# Allegro board LAY-27392_C.brd (continued)
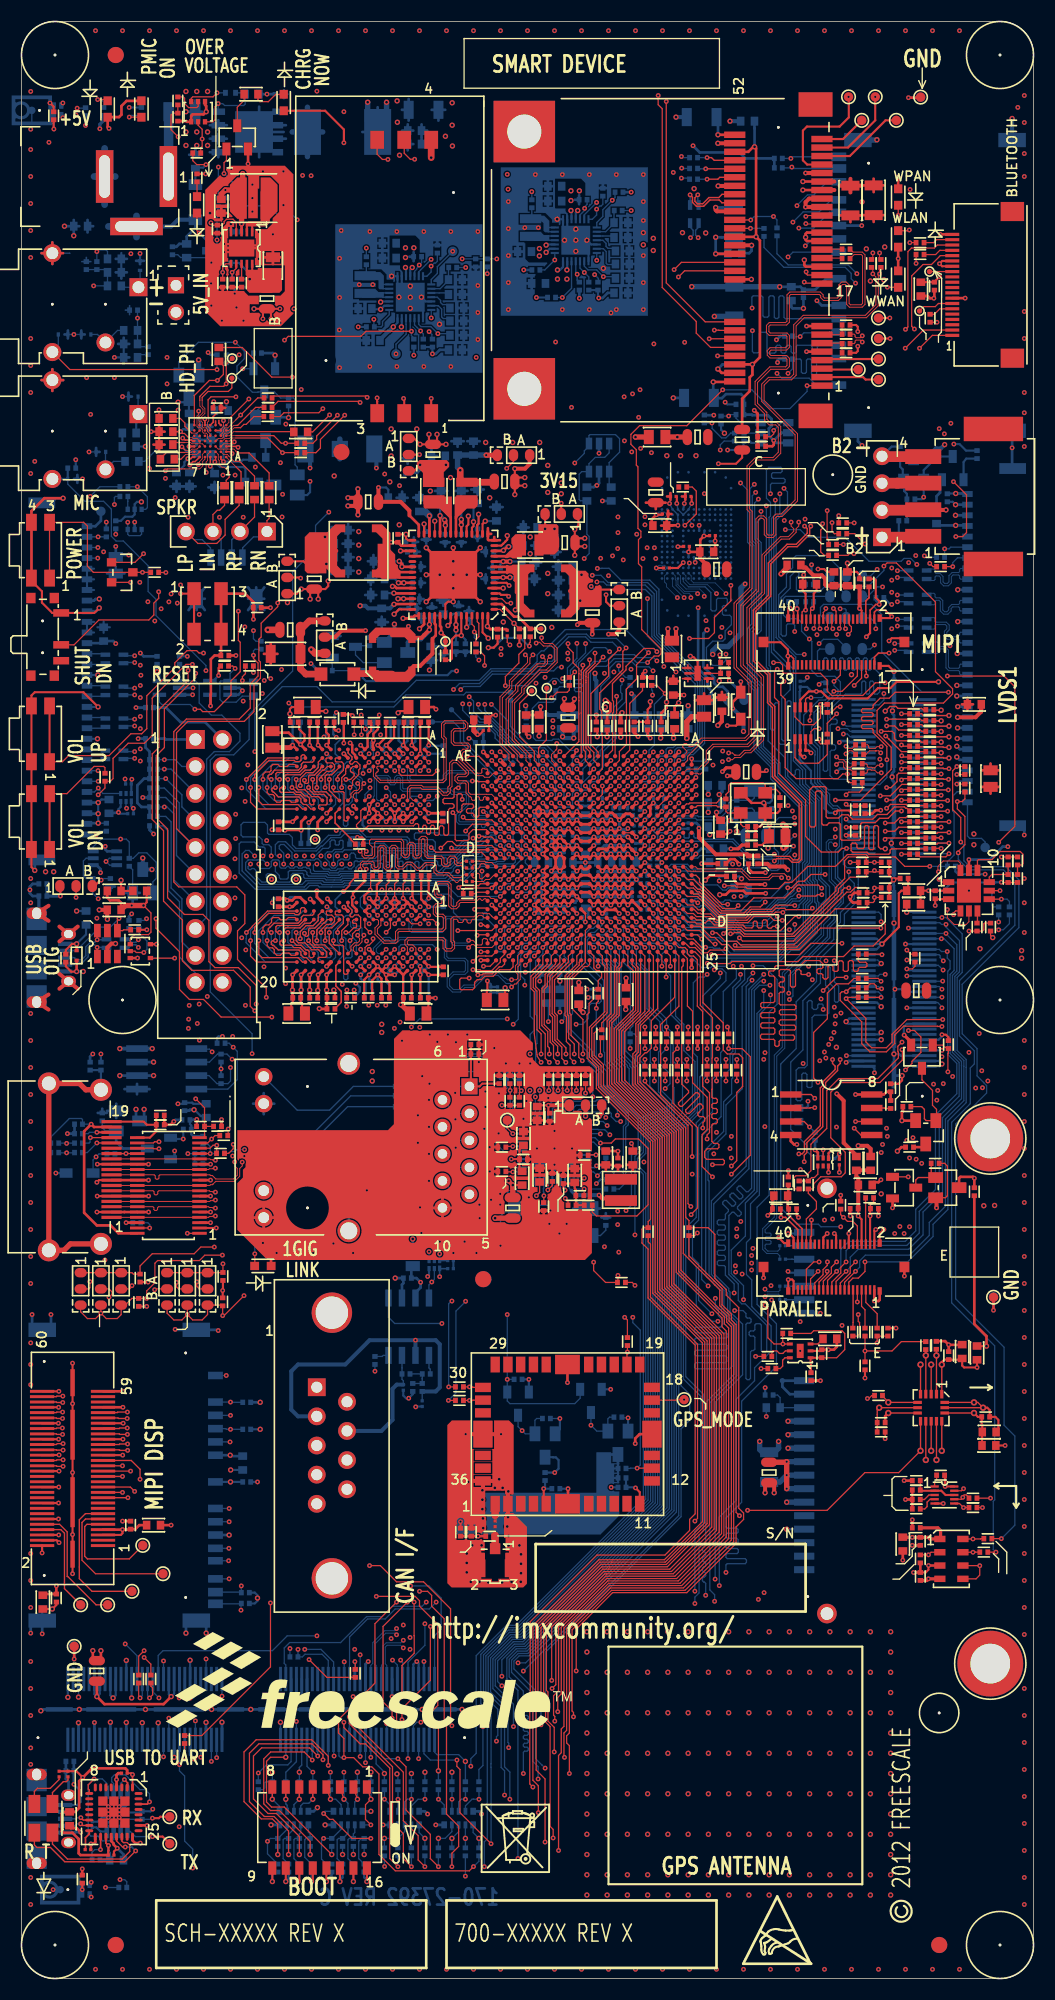
[diagram p0: board, top side]
## Routing (per net, layer and track width the routed paths; a pad name or vN(x,y) marks a point on that pad's centre or on a via; arc(x,y) is an arc through that point) (continued)
DRAM_SDCLK1_B: length 53.7
  TOP w0.094: R43.2 31.32,118.09 v1(31.32,117.02) ; U3.K7 31.01,111.13 31.01,111.47 31.33,111.79 31.62,111.79 31.83,111.99 31.83,112.27 v1(31.65,112.45) ; v1(31.88,106.08) 32.05,105.91 32.05,105.65 32.26,105.44 33.05,105.44 33.25,105.64 33.25,106.88 33.35,106.98 35.66,106.98 35.75,106.89 35.75,105.71 35.98,105.49 36.3,105.49 36.53,105.71 36.53,106.59 36.62,106.68 36.76,106.68 36.85,106.59 36.85,105.65 37.07,105.44 37.42,105.44 37.63,105.65 37.63,107.13 37.74,107.24 37.87,107.24 37.97,107.14 37.97,106.68 37.96,106.66 37.96,106.16 37.97,106.15 37.97,105.62 38.21,105.38 39.44,105.38 39.54,105.29 39.54,104.85 39.77,104.62 40.16,104.62 40.34,104.81 40.34,105.29 40.44,105.38 40.66,105.38 40.75,105.29 40.75,104.94 40.97,104.72 41.37,104.72 41.6,104.5 SH19.2
  L6_INT_2 w0.097: v1(31.32,117.02) 31.55,116.79 31.55,116.6 31.32,116.38 31.32,115.54 30.66,114.88 30.66,113.77 31.6,112.83 31.78,112.83 31.83,112.78 31.83,112.62 v1(31.65,112.45) 31.83,112.27 31.83,112.12 31.75,112.04 31.47,112.04 31.27,111.84 31.27,111.51 31.46,111.31 31.46,111.3 31.99,111.3 32.08,111.21 32.08,111 32.03,110.95 31.86,110.95 31.67,110.76 31.67,110.29 31.86,110.11 32,110.11 32.08,110.03 32.08,109.86 32,109.78 31.73,109.78 31.55,109.59 31.55,109.1 31.73,108.92 32.03,108.92 32.1,108.85 32.1,108.6 32.03,108.53 31.67,108.53 31.45,108.3 31.45,107.92 31.61,107.75 31.97,107.75 32.5,107.23 32.9,107.23 34.04,106.1 37.77,106.1 37.89,105.97 37.89,105.74 37.82,105.66 33.91,105.66 32.72,106.86 32.26,106.86 32.05,106.65 32.05,106.31 31.88,106.13 v1(31.88,106.08)
  BOTTOM w0.094: U5.K7 30.86,114.04 30.99,113.92 30.99,113.55 31.71,112.83 31.77,112.83 31.84,112.76 31.85,112.76 31.85,112.76 31.85,112.65 v1(31.65,112.45)
DRAM_SDODT0: length 69
  TOP w0.119: U3.K1 30.76,115.61 30.76,115.29 31.12,114.94 31.12,114.71 30.9,114.49 30.9,114.36 31,114.27 31.13,114.27 31.37,114.5 31.55,114.5 31.87,114.18 31.87,113.84 31.75,113.72 31.75,113.28 31.17,112.7 31.17,112.3 v1(30.93,112.06) ; U2.K1 30.73,100.92 31.12,100.54 31.12,100.33 30.93,100.15 30.93,99.98 31.02,99.89 31.19,99.89 31.37,100.08 31.7,100.08 31.93,99.85 31.93,98.88 31.67,98.63 31.5,98.63 31.17,98.3 31.17,97.9 v1(30.93,97.66) ; v1(45.07,102.61) U1.AC16
  L3_INT_1 w0.114: v1(30.93,104.86) 30.66,104.86 30.53,104.74 30.53,104.39 30.4,104.26 29.97,104.26 29.44,103.73 28.45,103.73 27.81,103.09 27.81,102.9 27.94,102.77 28.24,102.77 28.37,102.64 28.37,102.44 28.5,102.31 28.8,102.31 28.93,102.44 28.93,102.64 29.06,102.77 29.34,102.77 29.46,102.64 29.46,102.41 29.57,102.31 29.79,102.31 29.92,102.18 29.92,101.98 29.79,101.85 29.59,101.85 29.46,101.73 29.46,101.42 29.59,101.3 29.85,101.3 29.98,101.43 30.49,101.43 30.6,101.55 30.6,101.97 30.79,102.16 30.79,102.74 31.33,103.29 33.27,103.29 33.49,103.51 38.83,103.51 40.57,101.77 40.87,101.77 40.93,101.83 40.93,102.22 40.76,102.39 40.76,102.92 40.89,103.05 41.53,103.05 41.66,102.92 41.66,102.46 41.77,102.35 42.24,102.35 42.37,102.22 42.37,101.67 42.46,101.57 42.6,101.57 42.7,101.67 42.7,102.26 42.8,102.36 42.95,102.36 43.05,102.26 43.05,101.71 43.16,101.6 43.32,101.6 43.43,101.71 43.43,102.42 43.55,102.54 43.72,102.54 43.84,102.42 43.84,102.23 43.97,102.11 44.12,102.11 44.24,102.22 44.43,102.22 44.65,102.45 44.65,102.48 44.78,102.61 v1(45.07,102.61)
  L6_INT_2 w0.114: v1(30.93,97.66) 30.93,98.78 30.75,98.95 30.75,99.24 30.93,99.42 30.93,99.67 30.78,99.81 30.78,100.11 30.95,100.28 30.95,101.31 30.77,101.49 30.77,101.84 31.06,102.13 31.06,104.23 30.93,104.37 v1(30.93,104.86) 31.32,105.26 31.32,106.91 31.06,107.16 31.06,108.12 30.72,108.47 30.72,110.33 30.93,110.54 v1(30.93,112.06)
  BOTTOM w0.119: v1(30.93,97.66) 30.93,96.98 31.12,96.79 31.12,96.16 30.99,96.04 30.56,96.04 30.33,95.81 30.33,94.11 30.45,93.98 30.6,93.98 30.73,94.11 U4.K1 ; v1(30.93,112.06) 30.93,111.39 31.14,111.18 31.14,110.78 30.81,110.45 30.57,110.45 30.3,110.18 30.3,108.55 30.42,108.43 30.59,108.43 30.73,108.57 U5.K1
DRAM_SDQS0: length 26.1
  TOP w0.094: U1.AE3 43.87,113.76 43.83,113.8 43.63,113.8 43.56,113.87 43.41,113.87 43.31,113.77 43.31,113.63 43.33,113.61 43.33,113.49 43.26,113.41 42.93,113.41 41.51,114.83 41.51,115.29 41.66,115.44 42.03,115.44 42.27,115.68 42.27,116.02 42.03,116.26 40.81,116.26 40.68,116.38 40.68,117.26 40.81,117.39 41.75,117.39 42.01,117.65 42.01,118.09 41.75,118.35 39.82,118.35 39.54,118.07 39.54,116.81 39.75,116.59 39.75,112.9 39.6,112.75 33.8,112.75 33.36,113.19 33.36,113.41 33.46,113.51 33.48,113.51 33.58,113.61 33.58,113.76 33.45,113.88 33.45,113.99 33.53,114.07 33.9,114.07 U3.F3
DRAM_SDQS0_B: length 26.1
  TOP w0.094: U3.G3 33.13,113.1 33.71,112.52 39.69,112.52 39.98,112.81 39.98,116.69 39.76,116.9 39.76,117.97 39.92,118.12 41.66,118.12 41.78,118 41.78,117.74 41.66,117.62 40.71,117.62 40.45,117.36 40.45,116.29 40.71,116.03 41.93,116.03 42.04,115.92 42.04,115.78 41.93,115.67 41.56,115.67 41.28,115.39 41.28,114.72 42.81,113.18 43.44,113.18 43.59,113.02 44.04,113.02 44.42,113.41 U1.AD3
DRAM_SDQS1: length 17
  TOP w0.094: U3.C7 36.33,110.84 36.33,112.01 36.59,112.27 37.66,112.27 37.81,112.12 39.19,112.12 39.75,111.56 40,111.56 40.13,111.69 40.13,112.1 40.3,112.27 40.3,114.37 40.56,114.63 41.04,114.63 42.07,113.6 42.07,113.31 41.84,113.08 41.13,113.08 41.02,112.97 41.02,112.82 41.13,112.71 41.84,112.71 42.07,112.48 42.07,111.64 42.28,111.43 43.77,111.43 43.78,111.42 44.25,111.42 U1.AD6
DRAM_SDQS1_B: length 17
  TOP w0.094: U1.AE6 43.68,111.2 43.57,111.2 43.48,111.1 43.48,110.96 43.39,110.86 43.2,110.86 43.1,110.96 43.1,111.1 43.01,111.2 42.82,111.2 42.73,111.1 42.73,110.96 42.63,110.86 42.45,110.86 42.35,110.96 42.35,111.1 42.26,111.2 42.18,111.2 41.84,111.54 41.84,112.38 41.75,112.48 41.04,112.48 40.79,112.72 40.79,113.07 41.04,113.31 41.75,113.31 41.84,113.41 41.84,113.51 40.95,114.4 40.65,114.4 40.53,114.27 40.53,112.17 40.36,112.01 40.36,111.6 40.1,111.33 39.65,111.33 39.29,111.7 39.1,111.89 37.72,111.89 37.57,112.04 36.68,112.04 36.56,111.91 36.56,111.16 36.87,110.85 U3.B7
DRAM_SDQS2: length 15.5
  TOP w0.094: U1.AD8 v1(44.27,109.81)
  BOTTOM w0.094: U5.C7 36.33,112.89 36.33,112.88 36.33,112.81 36.59,112.55 39.7,112.55 39.91,112.76 39.91,113.13 40.21,113.43 42.54,113.43 42.82,113.14 42.82,110.31 42.76,110.24 42.6,110.24 42.34,109.98 42.34,109.46 42.6,109.2 43.81,109.2 44.09,109.48 44.09,109.64 v1(44.27,109.81)
DRAM_SDQS2_B: length 15.4
  TOP w0.094: U1.AE8 v1(43.47,109.81)
  BOTTOM w0.094: v1(43.47,109.81) 43.77,109.81 43.87,109.72 43.87,109.58 43.71,109.42 42.7,109.42 42.57,109.55 42.57,109.89 42.69,110.01 42.85,110.01 43.05,110.21 43.05,113.24 42.63,113.66 40.11,113.66 39.68,113.23 39.68,112.85 39.6,112.78 36.68,112.78 36.56,112.9 36.56,113.11 36.68,113.23 37.06,113.23 37.13,113.31 37.13,113.92 37.13,113.93 U5.B7
DRAM_SDQS3: length 21.8
  TOP w0.094: v1(45.07,108.21) U1.AC10
  BOTTOM w0.094: U5.F3 33.55,110.84 33.43,110.97 33.43,112.86 33.53,112.95 34.42,112.95 34.49,112.88 34.49,112.57 34.74,112.32 35.09,112.32 35.34,112.57 35.34,112.91 35.41,112.98 35.59,112.98 35.66,112.9 35.66,111.93 35.88,111.71 40.21,111.71 40.51,111.4 41.76,111.4 41.87,111.3 41.87,110.55 41.07,109.75 41.07,109.67 40.94,109.54 40.94,108.85 41.18,108.61 42.5,108.61 42.6,108.52 42.6,108.37 42.69,108.28 42.85,108.28 42.94,108.37 42.94,108.52 43.04,108.61 43.2,108.61 43.29,108.52 43.29,108.37 43.38,108.28 43.54,108.28 43.64,108.37 43.64,108.52 43.73,108.61 44.47,108.61 44.68,108.4 44.87,108.4 44.97,108.31 v1(45.07,108.21)
DRAM_SDQS3_B: length 21.8
  TOP w0.094: v1(45.87,108.21) U1.AB10
  BOTTOM w0.094: U5.G3 33.13,111.2 33.2,111.27 33.2,112.95 33.43,113.18 34.52,113.18 34.72,112.98 34.72,112.66 34.84,112.55 35,112.55 35.11,112.66 35.11,113 35.31,113.21 35.68,113.21 35.89,113 35.89,112.03 35.98,111.94 40.35,111.94 40.66,111.63 41.86,111.63 42.1,111.39 42.1,110.46 41.3,109.66 41.3,109.58 41.17,109.45 41.17,108.94 41.27,108.84 44.57,108.84 44.77,108.63 45.44,108.63 v1(45.87,108.21)
DRAM_SDQS4: length 23.5
  TOP w0.094: U2.F3 33.83,99.55 33.83,99.09 33.5,98.76 33.5,98.35 34.21,97.64 35.14,97.64 35.21,97.71 35.21,98.51 35.46,98.76 39.57,98.76 39.7,98.88 39.7,99.8 39.57,99.92 39.02,99.92 38.76,100.18 38.76,100.88 39.02,101.14 39.5,101.14 39.57,101.21 39.57,101.58 39.43,101.73 39.12,101.73 38.89,101.96 38.89,102.94 39.17,103.23 40.18,103.23 40.44,102.96 40.44,101.02 40.56,100.89 40.84,100.89 40.97,101.02 40.97,101.21 41.23,101.47 42.62,101.47 42.97,101.82 44,101.82 44.02,101.8 44.03,101.8 44.2,101.63 44.45,101.63 U1.AD18
DRAM_SDQS4_B: length 23.5
  TOP w0.094: U2.G3 33.5,99.64 33.61,99.54 33.61,99.19 33.27,98.86 33.27,98.26 34.12,97.41 35.23,97.41 35.44,97.62 35.44,98.41 35.55,98.53 39.67,98.53 39.93,98.79 39.93,99.89 39.67,100.15 39.12,100.15 38.99,100.28 38.99,100.79 39.12,100.91 39.6,100.91 39.8,101.11 39.8,101.68 39.52,101.96 39.21,101.96 39.12,102.05 39.12,102.84 39.27,103 40.08,103 40.21,102.87 40.21,100.92 40.47,100.66 40.94,100.66 41.2,100.92 41.2,101.12 41.33,101.24 42.72,101.24 43.07,101.59 43.18,101.59 43.33,101.45 43.41,101.45 43.56,101.59 43.69,101.59 43.87,101.42 U1.AE18
DRAM_SDQS5: length 14.2
  TOP w0.094: U2.C7 36.33,97.05 36.09,97.29 36.09,97.68 36.35,97.94 39.69,97.94 39.9,97.73 39.9,97.03 40.03,96.9 40.41,96.9 40.54,97.03 40.54,97.47 40.41,97.59 40.41,99.69 40.62,99.9 42.59,99.9 42.96,100.26 43.42,100.26 43.48,100.2 44.03,100.2 44.25,99.97 44.25,99.97 44.41,99.81 U1.AD20
DRAM_SDQS5_B: length 14.2
  TOP w0.094: U2.B7 37.13,96.96 36.83,97.26 36.45,97.26 36.32,97.38 36.32,97.59 36.45,97.71 39.6,97.71 39.67,97.64 39.67,96.93 39.94,96.67 40.51,96.67 40.77,96.93 40.77,97.56 40.64,97.69 40.64,99.59 40.72,99.67 40.97,99.67 41.07,99.57 41.07,99.47 41.17,99.36 41.48,99.36 41.58,99.47 41.58,99.57 41.68,99.67 41.83,99.67 41.94,99.57 41.94,99.43 42.05,99.31 42.22,99.31 42.34,99.43 42.34,99.57 42.44,99.67 42.69,99.67 43.05,100.04 43.32,100.04 43.55,99.81 U1.AE20
DRAM_SDQS6: length 13.1
  TOP w0.094: v1(42.09,97) 42.37,97.29 42.56,97.29 42.65,97.21 42.83,97.02 44.28,97.02 U1.AD23
  BOTTOM w0.094: v1(42.09,97.01) 41.89,97.21 40.7,97.21 40.46,97.44 40.46,99.61 40.35,99.72 40.07,99.72 39.95,99.61 39.95,98.78 39.6,98.42 36.71,98.42 36.47,98.66 36.47,99.49 36.33,99.64 U4.C7
DRAM_SDQS6_B: length 13.2
  TOP w0.094: U1.AE23 43.87,97.74 43.78,97.82 43.71,97.82 43.66,97.87 43.51,97.87 43.38,97.74 43.38,97.36 43.27,97.25 42.93,97.25 42.74,97.44 42.49,97.69 v1(42.09,97.69)
  BOTTOM w0.094: v1(42.09,97.69) 42.09,97.51 42.01,97.43 40.79,97.43 40.69,97.54 40.69,99.7 40.44,99.95 39.97,99.95 39.73,99.7 39.73,98.88 39.5,98.65 36.8,98.65 36.7,98.76 36.7,98.98 36.83,99.11 36.83,99.34 36.7,99.47 36.7,99.57 36.78,99.64 U4.B7
DRAM_SDQS7: length 25.9
  TOP w0.094: v1(46.13,93.3) 46.41,93.58 46.56,93.58 46.66,93.68 46.66,93.73 46.94,94.01 46.94,94.58 46.72,94.81 46.72,95.2 46.91,95.39 46.91,95.65 U1.AA25
  BOTTOM w0.094: U4.F3 33.58,96.44 33.4,96.62 33.4,96.9 34.24,97.74 34.57,97.74 34.8,97.51 35.41,97.51 35.64,97.74 39.65,97.74 39.8,97.59 39.8,96.07 40.1,95.77 41.66,95.77 41.78,95.64 41.78,94.84 41.66,94.72 40.62,94.72 40.07,94.17 40.07,93.32 40.56,92.83 41.31,92.83 41.74,93.26 42.65,93.26 43.2,93.81 43.21,93.81 43.58,94.18 43.58,94.19 43.8,94.4 44.85,94.4 45.34,93.91 45.34,93.91 45.62,93.63 45.97,93.63 46.13,93.47 v1(46.13,93.3)
DRAM_SDQS7_B: length 25.8
  TOP w0.094: U1.AA24 46.68,96.22 46.68,95.49 46.49,95.3 46.49,94.71 46.71,94.49 46.71,94.1 46.58,93.98 v1(46.13,93.98)
  BOTTOM w0.094: v1(46.13,93.98) 45.72,93.98 45.57,94.13 45.44,94.13 44.94,94.63 43.7,94.63 43.35,94.28 43.35,94.27 43.12,94.03 43.11,94.03 42.56,93.49 41.64,93.49 41.21,93.05 40.65,93.05 40.3,93.41 40.3,94.08 40.71,94.49 41.75,94.49 42.01,94.75 42.01,95.74 41.75,96 40.19,96 40.03,96.16 40.03,97.68 39.74,97.97 35.54,97.97 35.31,97.74 34.89,97.74 34.66,97.97 34.14,97.97 33.13,96.95 U4.G3
DRAM_WE_B: length 59.5
  TOP w0.119: v1(45.87,102.61) U1.AB16 ; v1(28.59,112.06) 28.59,112.66 28.59,113.13 28.71,113.26 29.21,113.26 29.93,113.97 U3.L3 ; v1(28.59,97.66) 28.59,98.26 28.59,98.73 28.71,98.86 29.21,98.86 29.93,99.57 U2.L3
  L3_INT_1 w0.114: v1(45.87,102.61) 45.87,101.87 45.42,101.42 44.07,101.42 43.69,101.04 40.37,101.04 40.3,101.12 38.56,102.86 33.79,102.86 33.54,102.6 33.54,102.56 33.02,102.04 32.54,102.04 30.71,100.2 24.64,100.2 24.21,100.63 24.21,102.23 24.8,102.83 26.59,102.83 28.14,104.38 28.44,104.38 28.59,104.53 v1(28.59,104.86)
  L6_INT_2 w0.114: v1(28.59,97.66) 28.59,99.05 28.47,99.16 28.47,99.48 28.68,99.68 28.68,100.03 28.12,100.59 28.12,101.78 28.13,101.79 28.42,102.08 28.42,103.47 28.59,103.63 v1(28.59,104.86) 28.59,108.44 28.34,108.68 28.34,109.93 29,110.58 29,111.14 28.59,111.55 v1(28.59,112.06)
  BOTTOM w0.119: v1(28.59,112.06) 28.59,112.26 28.7,112.37 28.86,112.37 28.98,112.26 28.98,111.79 29.14,111.63 29.72,111.63 29.93,111.42 U5.L3 ; v1(28.59,97.66) 28.59,97.9 28.7,98.02 28.86,98.02 28.98,97.9 28.98,97.5 29.21,97.27 29.71,97.27 29.93,97.05 U4.L3
DSI_CLK0M: length 137.4
  TOP w0.094: v1(57.87,113.81) U1.H3
  TOP w0.127: J11.43 9.22,51.26 9.27,51.21 v1(9.98,51.21)
  L3_INT_1 w0.097: v1(57.87,113.81) 57.75,113.92 57.49,113.92 57.18,114.23 56.91,114.23 56.69,114.45 56.69,114.77 57.13,115.21 57.13,115.22 57.26,115.35 57.26,115.66 58.07,116.48 58.18,116.48 58.4,116.7 58.4,116.81 59.07,117.47 66.99,117.47 68.32,116.15 68.32,110 69.15,109.16 69.19,109.12 69.29,109.03 69.29,104.49 69.58,104.19 69.58,100.9 69.44,100.76 69.44,96.61 71.18,94.88 71.18,89.82 72.53,88.47 72.53,85.3 72.19,84.96 71.79,84.56 71.79,83.62 71.79,82.6 69.57,80.38 69.57,68.93 69.72,68.78 69.72,67.88 69.44,67.59 68.98,67.59 v1(68.71,67.32)
  L6_INT_2 w0.097: v1(68.71,67.32) 68.33,67.32 68.08,67.57 55.55,67.57 55.32,67.79 51.91,67.79 51.45,67.34 37.71,67.34 35.4,65.02 31.37,65.02 30.86,65.53 25.98,65.53 14.2,53.75 14.2,53.22 12.37,51.39 10.17,51.39 v1(9.98,51.21)
DSI_CLK0P: length 137.4
  TOP w0.094: U1.H4 v1(57.87,113.01)
  TOP w0.127: J11.45 9.22,51.76 9.27,51.81 v1(9.97,51.81)
  L3_INT_1 w0.097: v1(57.87,113.01) 58.25,113.39 58.25,113.97 58.02,114.19 57.75,114.19 57.49,114.45 57.49,115.57 58.17,116.25 58.28,116.25 58.63,116.6 58.63,116.71 59.17,117.24 66.89,117.24 68.09,116.05 68.09,109.91 69.06,108.93 69.06,104.39 69.35,104.1 69.35,100.99 69.22,100.85 69.22,96.52 70.95,94.79 70.95,89.73 72.3,88.37 72.3,85.39 72.1,85.19 72.1,85.19 71.56,84.65 71.56,83.53 71.56,82.69 69.34,80.47 69.34,68.83 69.49,68.68 69.49,67.97 69.34,67.82 68.93,67.82 v1(68.71,68.04)
  L6_INT_2 w0.097: v1(68.71,68.04) 68.32,68.04 68.07,67.79 55.64,67.79 55.42,68.02 51.81,68.02 51.35,67.56 37.62,67.56 35.31,65.25 31.46,65.25 30.96,65.76 25.88,65.76 13.97,53.85 13.97,53.31 12.28,51.62 11.01,51.62 10.92,51.72 10.92,52.02 10.82,52.12 10.66,52.12 10.57,52.02 10.57,51.72 10.47,51.62 10.17,51.62 9.98,51.81 v1(9.97,51.81)
DSI_D0M: length 136.5
  TOP w0.094: v1(58.67,114.61) U1.G2
  TOP w0.127: v1(9.96,52.71) 9.14,52.71 9.09,52.76 J11.49
  L3_INT_1 w0.097: v1(58.67,114.61) 59.05,114.23 62.29,114.23 62.61,114.55 62.61,114.94 62.92,115.24 64.44,115.24 65.15,115.95 66.55,115.95 66.93,115.57 66.93,110.39 66.93,109.43 67.9,108.45 67.9,103.91 68.16,103.65 68.16,101.44 68,101.27 68,95.92 68.14,95.79 68.14,92.77 69.7,91.21 69.7,89.34 71.14,87.89 71.14,85.87 70.4,85.13 70.4,84.12 70.4,84.12 70.4,83.24 68.07,80.91 68.07,73.48 65.94,71.34 65.94,70.52 66.38,70.08 66.69,70.08 66.94,69.83 v1(67.31,69.83)
  L6_INT_2 w0.097: v1(9.96,52.71) 10.33,52.71 10.34,52.71 10.51,52.88 12.62,52.88 13.31,53.57 13.31,61.88 14.58,63.15 22.41,63.15 25.78,66.52 35.15,66.52 38.63,70 45.57,70 46.74,68.83 54.23,68.83 54.64,69.24 56.79,69.24 56.97,69.06 58.67,69.06 58.9,69.29 58.9,69.4 59,69.49 59.16,69.49 59.25,69.4 59.25,69.29 59.48,69.06 59.83,69.06 60.06,69.29 60.06,69.4 60.16,69.49 60.32,69.49 60.41,69.4 60.41,69.29 60.64,69.06 60.99,69.06 61.22,69.29 61.22,69.4 61.32,69.49 61.47,69.49 61.57,69.4 61.57,69.29 61.8,69.06 62.15,69.06 62.38,69.29 62.38,69.4 62.48,69.49 62.63,69.49 62.73,69.4 62.73,69.29 62.96,69.06 63.31,69.06 63.54,69.29 63.54,69.4 63.63,69.49 63.79,69.49 63.89,69.4 63.89,69.29 64.12,69.06 66.14,69.06 66.47,69.39 66.47,69.95 66.62,70.1 67.04,70.1 v1(67.31,69.83)
DSI_D0P: length 136.5
  TOP w0.094: v1(58.67,115.41) U1.G1
  TOP w0.127: v1(9.99,53.31) 9.08,53.31 9.02,53.26 J11.51
  L3_INT_1 w0.097: v1(67.31,70.55) 66.94,70.55 66.69,70.31 66.47,70.31 66.17,70.61 66.17,71.25 68.3,73.38 68.3,80.81 70.63,83.14 70.63,84.22 70.63,85.04 71.37,85.78 71.37,87.99 69.93,89.43 69.93,91.3 68.36,92.87 68.36,95.88 68.23,96.02 68.23,101.18 68.39,101.34 68.39,103.75 68.13,104.01 68.13,108.55 67.16,109.52 67.16,110.29 67.16,115.66 66.64,116.18 65.06,116.18 64.35,115.47 62.82,115.47 62.34,114.99 59.09,114.99 v1(58.67,115.41)
  L6_INT_2 w0.097: v1(9.99,53.31) 10.36,53.3 10.54,53.1 10.82,53.1 10.92,53.2 10.92,53.34 11.02,53.44 11.16,53.44 11.27,53.34 11.27,53.2 11.36,53.1 12.52,53.1 13.08,53.66 13.08,61.98 14.48,63.38 22.31,63.38 25.69,66.75 35.05,66.75 38.53,70.23 45.66,70.23 46.83,69.06 54.13,69.06 54.54,69.47 56.89,69.47 57.07,69.29 58.58,69.29 58.68,69.39 58.68,69.49 58.91,69.72 59.25,69.72 59.48,69.49 59.48,69.39 59.58,69.29 59.74,69.29 59.83,69.39 59.83,69.49 60.06,69.72 60.41,69.72 60.64,69.49 60.64,69.39 60.74,69.29 60.9,69.29 60.99,69.39 60.99,69.49 61.22,69.72 61.57,69.72 61.8,69.49 61.8,69.39 61.9,69.29 62.05,69.29 62.15,69.39 62.15,69.49 62.38,69.72 62.73,69.72 62.96,69.49 62.96,69.39 63.05,69.29 63.21,69.29 63.31,69.39 63.31,69.49 63.54,69.72 63.89,69.72 64.12,69.49 64.12,69.39 64.21,69.29 66.05,69.29 66.24,69.49 66.24,70.05 66.53,70.33 67.09,70.33 v1(67.31,70.55)
DSI_D1M: length 136.3
  TOP w0.094: v1(57.87,114.61) 57.87,114.61 U1.H2
  TOP w0.127: J11.37 9.22,49.76 9.27,49.71 v1(10.01,49.71)
  L3_INT_1 w0.097: v1(67.2,66.48) 67.06,66.63 65.82,66.63 65.56,66.89 65.56,68.7 65.82,68.96 68.1,68.96 68.71,69.56 68.71,80.72 70.98,83 70.98,83.29 70.98,84.36 70.98,84.89 71.72,85.63 71.72,88.13 70.28,89.58 70.28,91.45 69.24,92.49 69.24,95.5 68.58,96.17 68.58,101.03 68.78,101.23 68.78,103.86 68.48,104.15 68.48,108.69 67.51,109.67 67.51,115.81 66.79,116.53 64.83,116.53 64.11,115.81 58.49,115.81 58.25,115.57 58.25,114.99 v1(57.87,114.61)
  L6_INT_2 w0.097: v1(67.2,66.48) 67.01,66.67 37.87,66.67 35.64,64.44 31.06,64.44 30.73,64.77 26.04,64.77 15.47,54.2 15.47,52.1 13.27,49.9 10.85,49.9 10.56,49.9 10.38,49.71 v1(10.01,49.71)
DSI_D1P: length 136.3
  TOP w0.094: U1.H1 v1(57.87,115.41)
  TOP w0.127: v1(10,50.31) 9.27,50.31 9.22,50.26 J11.39
  L3_INT_1 w0.097: v1(67.18,67.07) 66.97,66.86 65.91,66.86 65.79,66.98 65.79,68.61 65.91,68.73 68.2,68.73 68.94,69.47 68.94,80.63 71.21,82.9 71.21,83.38 71.21,83.38 71.21,84.46 71.21,84.8 71.95,85.54 71.95,88.23 70.51,89.67 70.51,91.54 69.47,92.58 69.47,95.6 68.81,96.26 68.81,100.94 69,101.14 69,103.95 68.71,104.25 68.71,108.79 67.74,109.76 67.74,115.91 66.88,116.76 64.74,116.76 64.02,116.04 58.39,116.04 57.87,115.51 v1(57.87,115.41)
  L6_INT_2 w0.097: v1(67.18,67.07) 67.02,66.9 37.78,66.9 35.55,64.67 31.15,64.67 30.83,65 25.94,65 15.24,54.3 15.24,52.2 13.17,50.13 11.36,50.13 11.33,50.14 11.23,50.23 11.23,50.44 11.13,50.54 10.97,50.53 10.88,50.44 10.88,50.23 10.78,50.13 10.56,50.13 10.37,50.31 v1(10,50.31)
DSI_REXT: length 10.8
  TOP w0.119: R38.1 59.8,121.67 v1(60.57,120.9)
  TOP w0.178: v1(58.67,113.01) U1.G4
  BOTTOM w0.119: v1(58.67,113.01) 58.84,113.18 58.84,113.26 59.06,113.48 59.06,115.57 59.56,116.08 59.56,119.9 v1(60.57,120.9)
DSP0_CLK: length 98.4
  TOP w0.119: v1(74.07,94.48) 73.42,94.48 73.36,94.54 73.36,94.79 73.2,94.95 72.96,94.95 72.84,94.83 72.84,93.41 72.72,93.29 72.48,93.29 72.36,93.41 72.36,94.83 72.24,94.95 71.42,94.95 71.3,94.82 71.3,94.37 71.42,94.25 71.66,94.25 71.78,94.13 71.78,93.89 71.66,93.77 71.42,93.77 71.3,93.65 71.3,93.41 71.42,93.29 71.66,93.29 71.78,93.17 71.78,92.93 71.66,92.82 71.42,92.82 71.3,92.7 71.3,91.73 71.42,91.62 72.75,91.62 72.87,91.49 72.87,91.29 72.75,91.16 71.45,91.16 71.32,91.04 71.32,90.81 71.45,90.69 72.8,90.69 72.92,90.56 72.92,90.34 72.8,90.21 71.42,90.21 71.3,90.08 71.3,89.86 71.45,89.71 72.72,89.71 72.85,89.58 72.85,89.35 72.75,89.25 71.45,89.25 71.32,89.13 71.32,88.9 71.45,88.78 72.62,88.78 72.75,88.65 72.75,88.43 72.62,88.3 71.42,88.3 71.3,88.17 71.3,87.83 71.17,87.71 71.02,87.71 70.89,87.83 70.89,88.26 70.77,88.38 69.66,88.38 69.55,88.5 69.55,88.74 69.66,88.86 70.77,88.86 70.89,88.98 70.89,89.33 70.77,89.45 69.69,89.45 69.57,89.57 69.57,89.8 69.69,89.92 70.77,89.92 70.89,90.04 70.89,90.28 70.77,90.4 69.69,90.4 69.57,90.52 69.57,90.76 69.69,90.88 70.77,90.88 70.89,91 70.89,91.24 70.77,91.36 69.69,91.36 69.57,91.48 69.57,91.71 69.69,91.83 70.77,91.83 70.89,91.95 70.89,94.21 70.77,94.33 70.43,94.33 70.31,94.45 70.31,94.69 70.43,94.81 70.77,94.81 70.89,94.93 70.89,95.17 71.02,95.3 73.28,95.3 73.76,95.78 75.11,95.78 75.42,95.48 75.42,95.15 75.3,95.03 74.97,95.03 74.85,94.91 74.85,94.67 74.97,94.55 75.3,94.55 75.42,94.43 75.42,94.18 75.54,94.06 75.77,94.06 75.89,94.18 75.89,95.21 76.01,95.33 76.25,95.33 76.37,95.21 76.37,94.89 76.49,94.77 76.73,94.77 76.85,94.89 76.85,95.63 76.97,95.76 77.2,95.76 77.33,95.63 77.33,94.89 77.44,94.77 77.68,94.77 77.8,94.89 77.8,95.66 77.93,95.78 78.15,95.78 78.28,95.66 78.28,94.89 78.4,94.77 78.65,94.77 78.75,94.87 78.75,95.03 78.87,95.15 79.43,95.15 79.55,95.27 79.55,95.51 79.43,95.63 78.87,95.63 78.75,95.75 R113.1 ; U1.N19 v1(53.87,100.21)
  L6_INT_2 w0.114: v1(53.87,100.21) 54.26,99.82 54.26,98.47 54.53,98.2 54.83,98.2 55.05,97.97 55.05,96.65 55.22,96.48 55.69,96.48 56.27,95.9 59.41,95.9 59.58,95.73 59.58,94.9 60.03,94.44 60.03,93.88 60.29,93.63 60.92,93.63 60.92,93.64 61.94,93.64 62.85,92.73 67.91,92.73 69.34,91.31 72.6,91.31 73.16,91.87 73.16,93.09 72.62,93.64 72.62,97.36 72.75,97.49 73.34,97.49 73.47,97.36 73.47,94.67 73.66,94.48 v1(74.07,94.48)
DSP0_DAT0: length 92.7
  TOP w0.119: v1(52,86.23) 51.63,86.6 51.63,87.81 51.28,88.17 51.28,90.5 51.15,90.63 51.15,94.33 52.27,95.45 52.27,96.21 U1.P24
  TOP w0.127: R91.1 v1(82.8,105.79)
  L3_INT_1 w0.114: v1(81.4,80.01) 81.4,80.54 81.29,80.65 80.91,80.65 80.8,80.54 80.8,79.99 80.64,79.84 80.24,79.84 80.1,79.98 80.1,80.94 80.21,81.05 80.91,81.05 81.03,81.17 81.03,81.4 80.91,81.51 80.21,81.51 80.1,81.63 80.1,81.85 80.21,81.97 80.91,81.97 81.03,82.08 81.03,82.31 80.91,82.43 80.21,82.43 80.1,82.54 80.1,82.77 80.21,82.88 80.91,82.88 81.03,83 81.03,83.23 80.91,83.34 80.21,83.34 80.1,83.45 80.1,83.68 80.21,83.8 80.91,83.8 81.03,83.91 81.03,84.14 80.91,84.25 80.21,84.25 80.1,84.37 80.1,84.7 80.21,84.81 80.92,84.81 81.05,84.94 81.05,85.52 80.92,85.65 80.26,85.65 80.15,85.76 80.15,92.35 80.51,92.71 81.19,92.71 81.32,92.84 81.32,93.82 81.48,93.98 81.78,93.98 81.93,94.13 81.93,94.42 81.82,94.53 81.78,94.53 81.67,94.65 81.67,94.87 81.78,94.99 81.82,94.99 81.93,95.1 81.93,95.49 81.82,95.61 81.47,95.61 81.36,95.72 81.36,95.95 81.47,96.06 81.82,96.06 81.93,96.18 81.93,96.41 81.82,96.52 81.47,96.52 81.36,96.63 81.36,96.86 81.47,96.98 81.82,96.98 81.93,97.09 81.93,97.33 81.83,97.43 81.51,97.43 81.4,97.54 81.4,97.81 81.48,97.89 82.12,97.89 82.27,98.04 82.27,98.32 82.19,98.4 81.38,98.4 81.25,98.53 81.25,98.78 81.33,98.86 82.35,98.86 82.82,99.33 83.52,99.33 83.64,99.46 83.64,99.66 83.52,99.79 83,99.79 82.88,99.9 82.88,100.5 83.71,101.32 83.71,105.5 83.41,105.79 v1(82.8,105.79)
  L6_INT_2 w0.114: v1(52,86.23) 52.48,85.76 53.97,85.76 55.36,84.37 57.23,84.37 59.36,82.25 67.5,82.25 68.46,81.28 69.03,81.28 69.14,81.39 69.14,81.65 69.25,81.76 69.4,81.76 69.51,81.65 69.51,81.39 69.62,81.28 69.77,81.28 69.88,81.39 69.88,81.65 69.98,81.76 70.14,81.76 70.24,81.65 70.24,81.39 70.35,81.28 70.51,81.28 70.61,81.39 70.61,81.65 70.72,81.76 70.87,81.76 70.98,81.65 70.98,81.39 71.09,81.28 71.24,81.28 71.35,81.39 71.35,81.65 71.46,81.76 71.61,81.76 71.72,81.65 71.72,81.39 71.83,81.28 76.45,81.28 78.11,79.62 79.28,79.62 79.67,80.01 81.4,80.01 v1(81.4,80.01)
DSP0_DAT1: length 96
  TOP w0.127: R90.1 81.86,106.3 81.74,106.17 81.74,105.92 81.61,105.79 79.75,105.79 79.56,105.98 78.22,105.98 78.07,106.13 78.07,106.72 78.18,106.83 78.49,106.83 78.61,106.71 78.61,106.45 78.74,106.32 79.2,106.32 79.32,106.45 79.32,108.36 79.44,108.48 79.61,108.48 79.73,108.36 79.73,106.35 79.86,106.22 80.11,106.22 80.19,106.3 80.19,108.36 80.31,108.48 80.52,108.48 80.64,108.36 80.64,106.49 80.84,106.3 v2(81.28,106.3)
  TOP w0.178: v1(52.27,97.81) 52.67,98.21 U1.P22
  L3_INT_1 w0.114: v2(81.28,106.3) 81.39,106.41 81.81,106.41 81.96,106.27 81.96,106.07 81.83,105.94 81.74,105.94 81.66,105.87 81.66,105.64 83.06,104.24 83.06,101.59 81.73,100.26 80.55,100.26 79.62,99.33 79.62,95.53 79.49,95.4 79.1,95.4 79.1,95.38 79.09,95.38 78.3,94.6 77.7,94.6 77.6,94.7 77.6,94.84 77.7,94.95 78.18,94.95 78.97,95.73 79.27,95.73 79.38,95.83 79.38,97.95 79.28,98.04 79.14,98.04 79.04,97.95 79.04,96.34 78.05,95.35 77.57,95.35 77.2,94.98 77.2,94.57 77.1,94.47 76.9,94.47 76.8,94.36 76.8,94.21 76.9,94.1 77.1,94.1 77.2,93.99 77.2,93.35 76.99,93.14 76.99,92.43 76.8,92.23 76.8,92.06 76.99,91.86 76.99,91.36 76.6,90.97 v1(76.6,90.57)
  L6_INT_2 w0.114: v1(52.27,97.81) 51.88,97.42 51.88,96.17 52.75,95.3 52.75,94.9 52.83,94.82 52.91,94.82 53.39,94.34 56.36,94.34 56.44,94.25 56.44,94.09 56.36,94.01 54.4,94.01 54.31,93.91 54.31,93.77 54.4,93.68 57.05,93.68 57.37,93.36 57.67,93.36 57.84,93.19 58,93.19 58.09,93.28 58.09,93.64 57.89,93.85 57.49,93.85 57.31,94.03 57.31,94.27 57.37,94.33 58.01,94.33 58.5,93.84 58.5,93.03 58.33,92.86 58.33,92.7 58.43,92.6 58.64,92.6 58.77,92.73 58.93,92.73 59.08,92.59 59.08,92.43 58.97,92.32 58.97,92.11 59.02,92.06 61.25,92.06 61.39,91.92 61.39,91.53 61.47,91.44 61.8,91.44 61.98,91.26 61.98,90.94 62.11,90.8 62.35,90.8 62.46,90.92 62.46,91.11 62.57,91.22 62.81,91.22 62.92,91.11 62.92,90.92 63.04,90.8 63.27,90.8 63.38,90.92 63.38,91.1 63.49,91.22 63.72,91.22 63.84,91.1 63.84,90.92 63.95,90.8 64.18,90.8 64.29,90.92 64.29,91.1 64.41,91.22 64.64,91.22 64.75,91.1 64.75,90.92 64.87,90.8 65.09,90.8 65.21,90.92 65.21,91.1 65.32,91.22 65.55,91.22 65.67,91.1 65.67,90.92 65.78,90.8 66.01,90.8 66.12,90.92 66.12,91.1 66.24,91.22 66.47,91.22 66.58,91.1 66.58,90.92 66.69,90.8 67.59,90.8 67.86,90.54 67.86,90.22 68,90.08 68.15,90.08 68.49,89.74 75.31,89.74 75.44,89.86 75.44,90.04 75.31,90.17 74.45,90.17 74.37,90.24 74.37,90.45 74.5,90.57 v1(76.6,90.57)